# Altium PCB PCB - v2.PcbDoc (part 2 of 2) (continued)
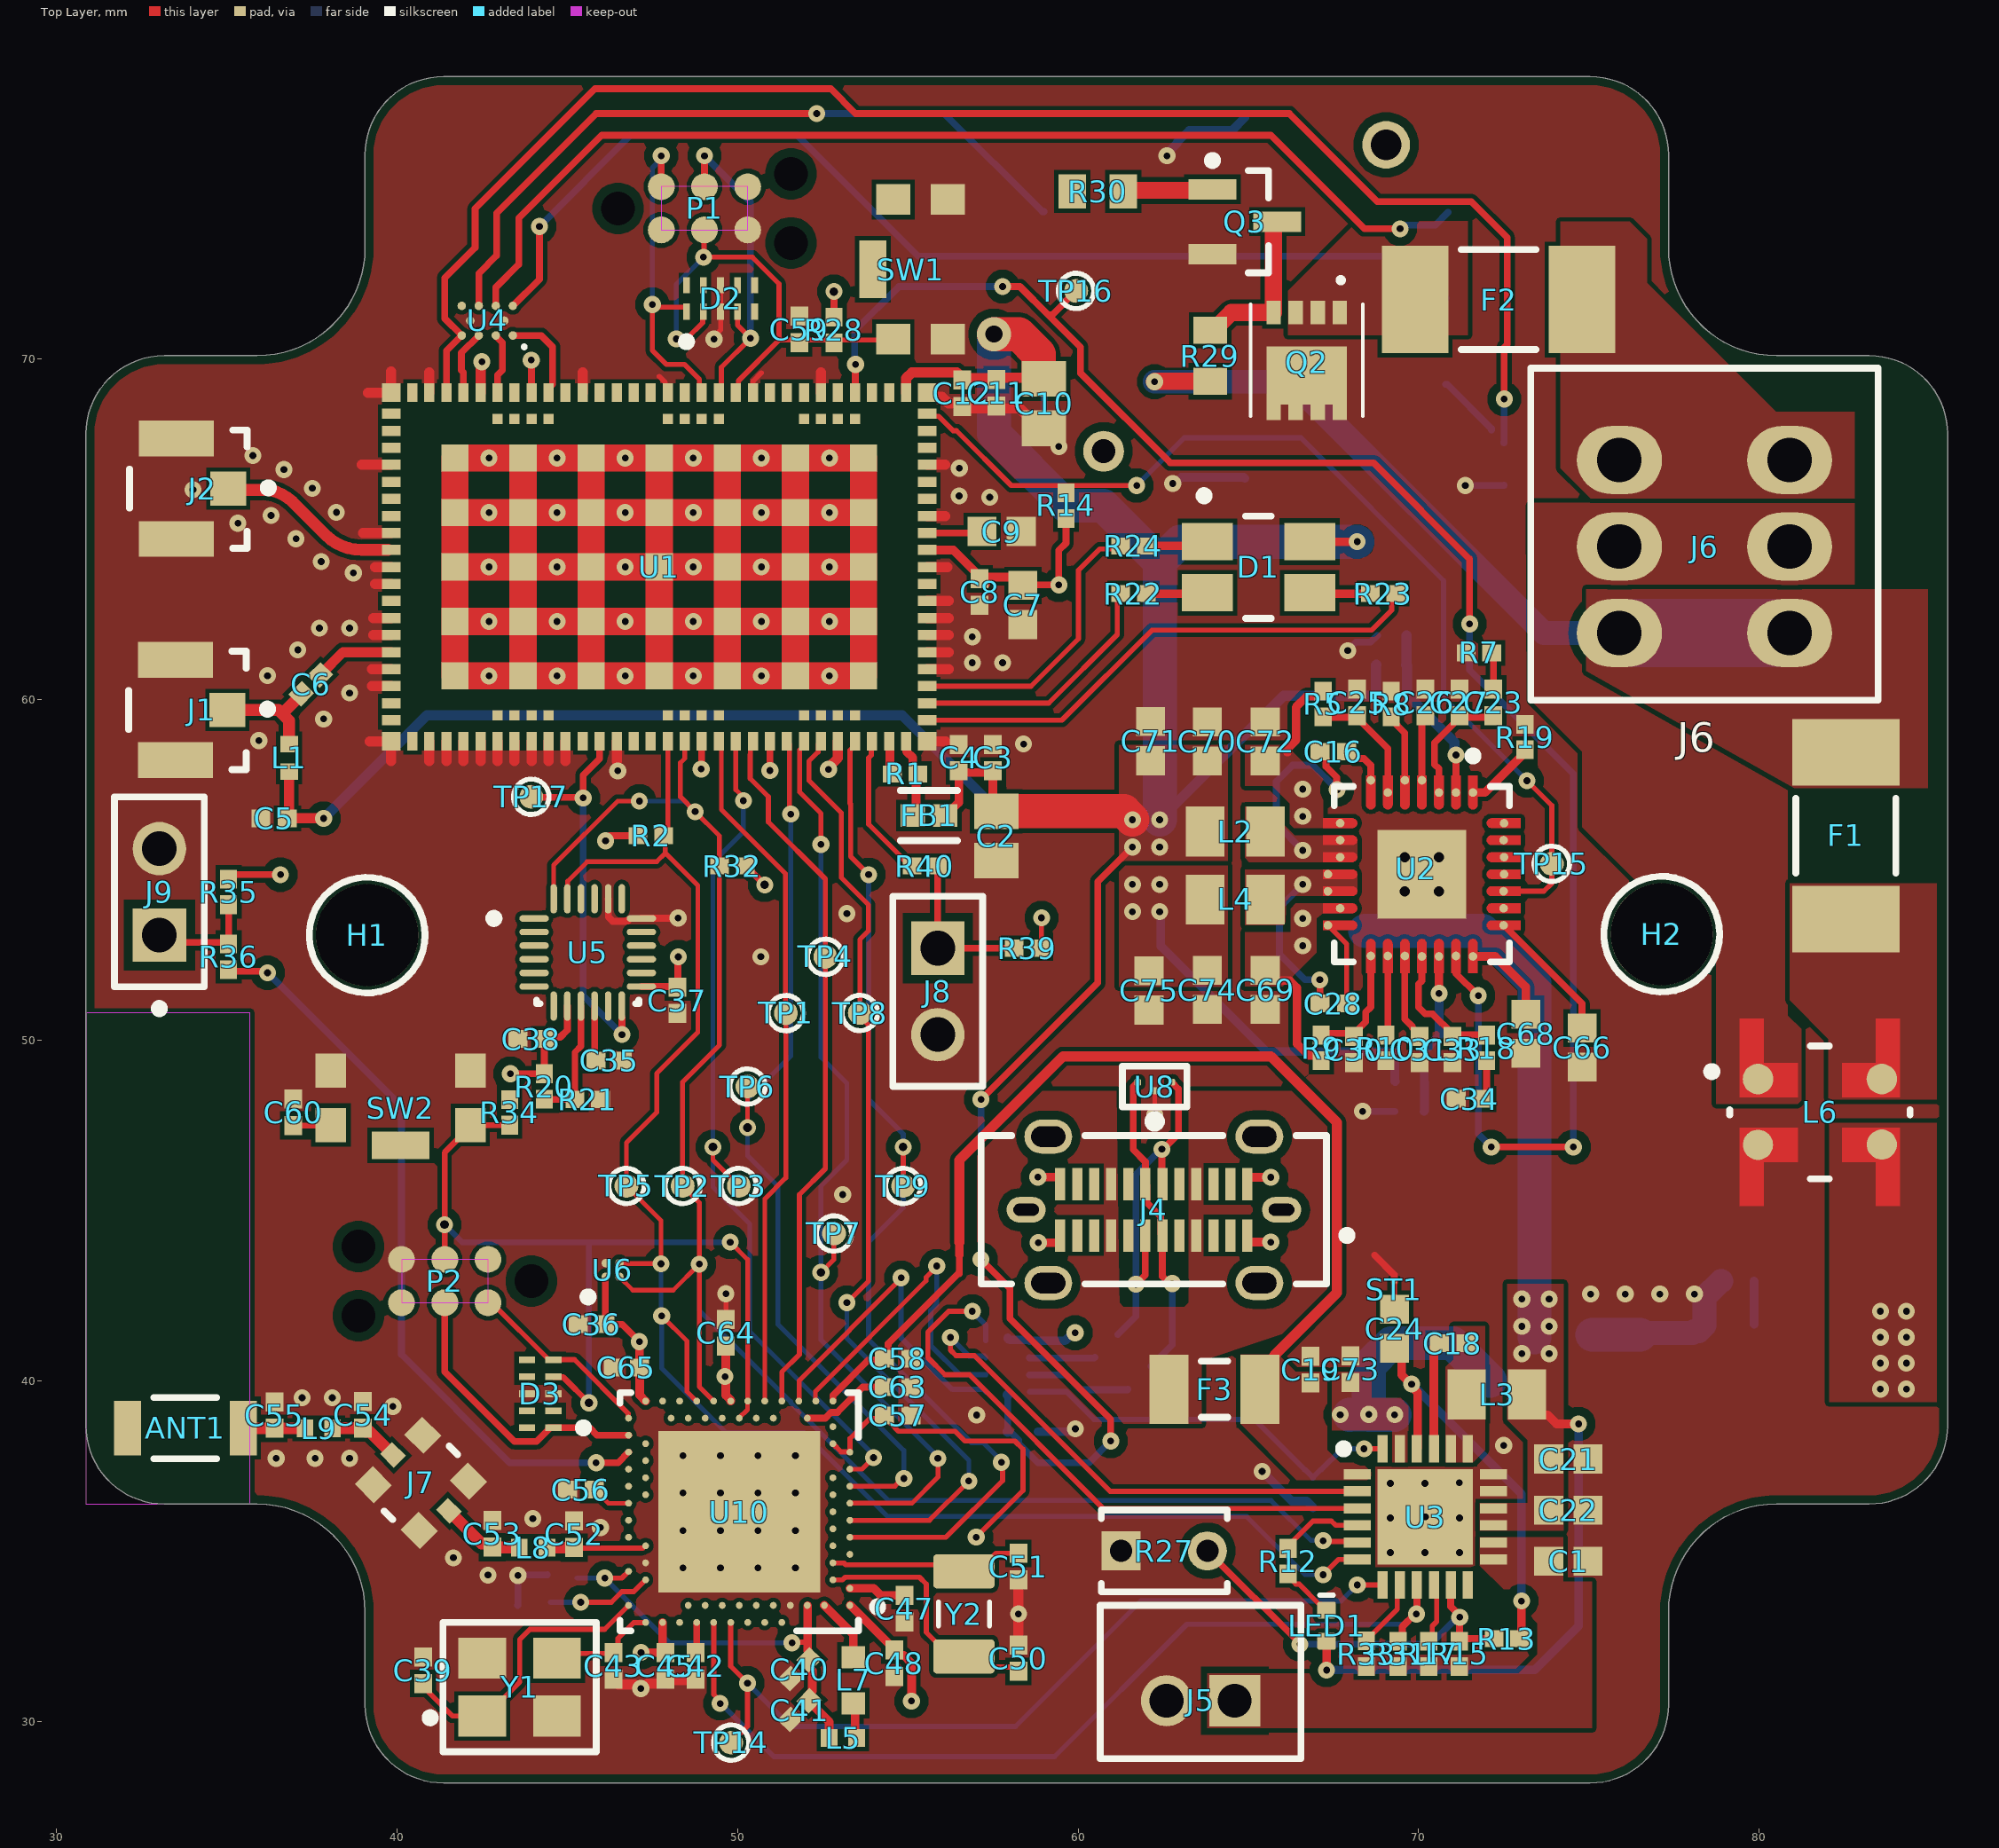
[diagram p0: Top Layer view]
## Nets (pads, with @x,y where several pads share a name; then routed paths per layer and width w, separated by ;. In a path a pad name is that pad's centre, name@x,y a point inside that pad or via, vN(x,y) a via of type N, cw(c..) or ccw(c..) an arc to the next point about the centre after c; other vN are vias at no path point) (continued)
  Bottom Layer w0.2: C46.1@43.543,33.401 43.552,33.41 v1(43.552,34.281) 43.562,34.291 44.401,34.291 C49.1@44.41,34.3 ; J3.C5@59,69.26 59,67.873 v1(59.436,67.437) ; v1(67.919,61.443) 68.167,61.69 68.594,61.69 R6.1@68.794,61.89 ; v1(68.359,47.912) R16.1@69.313,47.912 ; v1(71.374,66.294) 72.507,66.294 C14.1@72.517,66.304
  Bottom Layer w0.254: U7.5@57.936,41.263 57.936,41.244 57.984,41.196 58.553,41.196 U7.6@58.576,41.173 59.618,41.173 59.851,41.406 v1(59.917,41.406) ; C20.1@58.821,38.504 59.773,38.504 59.857,38.588 v1(59.924,38.588) ; v1(62.611,75.977) 62.611,76.044 62.919,76.352 62.919,76.381 63.265,76.727 64.527,76.727 J3.C8@64.9,77.1 ; v1(62.782,66.351) 62.848,66.351 63.033,66.535 64.865,66.535 J3.C4@64.9,66.5 ; v1(65.405,37.338) 66.28,36.463 66.717,36.463 66.9,36.28 C29.1@66.9,36.26
  Bottom Layer w0.7: C67.1@76.5,41.35 76.55,41.4 78.05,41.4 C13.1@78.1,41.45 78.225,41.45 78.4,41.625 78.4,42.451 78.875,42.926 R3.1@78.9,42.926
  Bottom Layer w1: C15.1@75.1,41.35 C67.1@76.5,41.35
  other v1: 47.157,30.957 42.672,34.29 48.4,34.5 49.5,34.5 50.6,34.5 51.7,34.5 41.656,34.798 69.172,34.952 70.188,34.952 71.204,34.952 48.4,35.6 49.5,35.6 50.6,35.6 51.7,35.6 45.974,35.687 43.988,35.949 69.172,35.968 71.204,35.968 70.2,36 48.4,36.7 49.5,36.7 50.6,36.7 51.7,36.7 69.172,36.984 70.188,36.984 71.2,37 36.449,37.719 37.592,37.719 38.608,37.719 48.4,37.8 49.5,37.8 50.6,37.8 51.7,37.8 72.5,38.1 57.023,38.989 39.878,39.243 37.211,39.497 38.1,39.497 75.057,42.545 76.073,42.545 77.089,42.545 78.105,42.545 53.086,45.466 50.683,52.452 53.213,53.721 46.482,57.912 58.4,58.7 35.941,58.801 37.846,59.436 38.608,60.198 36.195,60.706 56.896,61.087 57.785,61.087 37.084,61.468 56.896,61.849 37.719,62.103 38.608,62.103 38.715,63.725 37.773,64.059 37.033,64.731 35.326,65.186 36.3,65.412 38.218,65.504 57.409,65.948 56.508,65.989 34.005,66.171 37.511,66.211 36.676,66.762 56.515,66.802 35.766,67.175 43.942,69.977
  other v3: 69.599,54.376 70.599,54.376 69.599,55.376 70.599,55.376
GPS_RF1: C6.2 U1.67 | length 2.3
  Top Layer w0.3: C6.2@37.776,60.763 38.413,61.4 U1.67@39.83,61.4
GPS_RF2: C6.1 J1.1 L1.1 | length 3.3
  Top Layer w0.35: J1.1@35.019,59.7 36.522,59.7 36.83,59.392 L1.1@36.83,58.748 ; 36.629,59.593 C6.1@37.154,60.119
Green_LED: R22.1 U1.3 | length 7.6
  Top Layer w0.15: U1.3@55.57,59.9 59.138,59.9 61.153,61.915 R22.1@61.153,63.119
H\o\r\n\: R30.1
INT_IMU: TP17.1 U1.84 U5.12 | length 11.3
  Top Layer w0.2: TP17.1@43.942,57.15 43.959,57.133 45.449,57.133 v1(45.466,57.117) 45.466,57.785 45.95,58.269 U1.84@45.95,58.78 ; U5.12@46.604,50.673 46.604,50.17 v1(46.607,50.167)
  Bottom Layer w0.2: v1(45.466,57.117) 45.466,51.308 v1(46.607,50.167)
"LOW P-MODE": TP16.1 U1.25 U2.20 | length 52.3
  Top Layer w0.2: U1.25@53.45,69.02 53.459,69.028 53.459,69.842 v1(53.467,69.85) ; v1(57.785,72.136) 58.293,72.136 59.118,71.31 ; TP16.1@59.944,72.009 59.245,71.31 59.118,71.31 ; U2.20@71.099,52.476 71.099,51.964 v1(71.755,51.308) ; v1(71.501,62.23) 71.501,64.135 68.681,66.955 62.712,66.955 60.071,69.596 60.071,70.358 59.182,71.247 59.118,71.31 ; v1(72.136,46.863) v1(74.549,46.863)
  Bottom Layer w0.2: v1(53.467,69.85) 53.437,69.88 53.437,70.836 54.737,72.136 v1(57.785,72.136) ; v1(71.501,62.23) 71.501,60.874 74.549,57.826 v1(74.549,46.863) ; v1(71.755,51.308) 71.755,47.244 v1(72.136,46.863)
LTE_RF: J2.1 U1.61 | length 5.3
  Top Layer w0.35: J2.1@35.044,66.2 ccw(c35.124,66.28) 35.124,66.167 36.068,66.167 cw(c36.068,64.941) 36.935,65.808 37.905,64.838 ccw(c38.962,65.895) 38.962,64.4 U1.61@39.735,64.4
NetC16_1: C16.1 U2.7 | length 1.3
  Top Layer w0.2: C16.1@67.939,58.476 68.141,58.274 68.401,58.274 68.599,58.076 U2.7@68.599,57.636
NetC18_1: C18.1 U3.21 | length 3.1
  Top Layer w0.254: U3.21@70.45,38 70.45,40.99 C18.1@70.56,41.1
NetC23_2: C23.2 R7.1 | length 1
  Top Layer w0.2: C23.2@72.199,60.366 R7.1@72.199,61.376
NetC28_1: C28.1 U2.14 | length 2.3
  Top Layer w0.15: U2.14@67.339,53.376 67.684,53.031 67.889,52.826 C28.1@67.889,51.276
NetC34_2: C34.2 R18.1 | length 1.1
  Top Layer w0.2: C34.2@71.939,48.276 71.999,48.336 R18.1@71.999,49.351
NetC35_2: C35.2 U5.10 | length 1.6
  Top Layer w0.19: U5.10@45.801,51.003 45.801,49.44 C35.2@45.838,49.403
NetC47_2: C47.2 U10.C1 | length 1.7
  Top Layer w0.25: U10.C1@53.3,33.9 54.005,33.9 54.215,33.69 C47.2@54.9,33.69
NetC50_2: C50.2 U10.D2 Y2.1 | length 7.5
  Top Layer w0.15: U10.D2@52.8,34.15 53.083,34.15 53.163,34.23 55.34,34.23 55.545,34.025 55.545,32.61 56.255,31.9 Y2.1@56.65,31.9 56.959,31.591 58.119,31.591 C50.2@58.25,31.46
NetC51_2: C51.2 U10.F2 Y2.2 | length 5.8
  Top Layer w0.15: U10.F2@52.8,34.65 52.806,34.644 53.125,34.644 53.174,34.595 56.455,34.595 Y2.2@56.65,34.4 57.064,34.4 57.594,34.93 C51.2@58.25,34.93
NetC53_2: C53.2 J7.2 L8.2 | length 2.5
  Top Layer w0.35: J7.2@41.52,36.178 42.484,35.215 42.715,35.215 42.8,35.13 C53.2@42.8,35.11 42.805,35.105 L8.2@43.585,35.105
NetC54_2: C54.2 J7.1 L9.1 | length 2.1
  Top Layer w0.35: L9.1@38.105,38.61 C54.2@39,38.61 ; C54.2@39,38.59 39.085,38.505 39.195,38.505 J7.1@39.88,37.82
NetC66_2: C66.2 U2.22 | length 3.9
  Top Layer w0.2: U2.22@72.499,53.376 74.803,51.072 C66.2@74.803,50.409
NetC68_2: C68.2 U2.21 | length 2.7
  Top Layer w0.254: U2.21@71.599,52.461 72.253,52.461 73.151,51.563 C68.2@73.151,50.813
NetD1_1: D1.1 R24.2 | length 1.8
  Top Layer w0.25: R24.2@62.103,64.516 63.675,64.516 D1.1@63.802,64.643
NetD1_3: D1.3 R23.2 | length 1.7
  Top Layer w0.25: D1.3@66.802,63.143 66.826,63.119 R23.2@68.486,63.119
NetD1_4: D1.4 R22.2 | length 1.7
  Top Layer w0.25: R22.2@62.103,63.119 63.778,63.119 D1.4@63.802,63.143
NetF1_2: F1.2 L6.4
NetF2_1: F2.1 J6.1
NetF2_2: F2.2 Q2.1 Q2.2 Q2.3
NetJ3_C2: J3.C2 U4.C1 | length 32.4
  Top Layer w0.2: U4.C1@43.4,71.57 44.184,72.354 v1(44.184,73.902)
  Bottom Layer w0.2: v1(44.184,73.902) 46.863,76.581 51.749,76.581 55.305,73.025 69.525,73.025 70.75,71.8 J3.C2@70.8,71.8
NetJ3_C3: J3.C3 U4.C2 | length 32.5
  Top Layer w0.2: U4.C2@42.9,71.57 42.9,72.11 43.58,72.79 43.58,74.152 46.009,76.581 65.659,76.581 68.406,73.834 v1(69.457,73.834)
  Bottom Layer w0.2: v1(69.457,73.834) 69.538,73.834 69.644,73.94 70.49,73.94 J3.C3@70.866,74.316
NetJ3_C7: J3.C7 U4.C3 | length 21.4
  Top Layer w0.2: U4.C3@42.4,71.57 42.4,72.525 42.926,73.051 42.926,74.295 45.847,77.216 v1(52.324,77.216)
  Bottom Layer w0.2: v1(52.324,77.216) 56.074,77.216 58.95,74.34 J3.C7@59,74.34
NetJ8_1: J8.1 R39.2 R40.2 | length 4.6
  Top Layer w0.2: R40.2@55.933,55.127 55.924,55.118 55.88,55.074 J8.1@55.88,52.705 R39.2@58.078,52.705
NetJ9_1: J9.1 R35.2 R36.1 | length 3.2
  Top Layer w0.2: J9.1@33.02,53.086 33.23,52.876 35.052,52.876 R35.2@35.052,53.931
NetL5_1: L5.1 L7.2 | length 1.2
  Top Layer w0.254: L7.2@53.45,30.65 53.45,29.55 L5.1@53.5,29.5
NetL6_3: L6.3 Q1.5 Q1.6 Q1.7 Q1.8 Q1.9
  other v1: 83.566,39.751 84.328,39.751 83.566,40.513 84.328,40.513 83.566,41.275 84.328,41.275 83.566,42.037 84.328,42.037
NetLED1_1: LED1.1 R12.2 | length 1.6
  Top Layer w0.15: R12.2@66.171,34.275 66.171,34.25 66.396,34.025 66.496,34.025 67.091,33.43 67.125,33.43 LED1.1@67.3,33.255
NetQ1_4: Q1.4 R3.2 | length 1.3
  Bottom Layer w0.254: R3.2@79.85,42.926 79.857,42.919 79.857,41.66 Q1.4@79.864,41.654
NetQ2_4: Q2.4 Q3.3 R29.1 | length 4.8
  Top Layer w0.5: R29.1@63.881,70.854 63.981,70.854 64.501,71.374 Q2.4@65.741,71.374 65.741,73.991 65.791,74.041 Q3.3@65.847,74.041
NetQ3_1: Q3.1 R30.2 | length 2.5
  Top Layer w0.5: R30.2@61.479,74.93 61.509,74.961 63.916,74.961 Q3.1@63.947,74.991
NetR12_1: R12.1 U3.4 | length 2.4
  Top Layer w0.15: R12.1@66.171,35.125 66.171,35.15 66.9,35.879 67.44,35.879 67.569,35.75 U3.4@68.2,35.75
NetR17_2: R17.2 U3.10 | length 1.8
  Top Layer w0.15: R17.2@70.302,32.352 70.406,32.456 70.406,32.796 70.535,32.924 70.535,33.665 70.45,33.75 U3.10@70.45,34
NetR19_2: R19.2 U2.1 | length 2
  Top Layer w0.254: U2.1@71.599,57.276 71.948,57.276 73.128,58.456 R19.2@73.128,58.481
NetR20_1: R20.1 R21.2 U5.9 | length 3.7
  Top Layer w0.19: R20.1@44.323,48.266 44.326,48.263 R21.2@45.221,48.263 ; R21.2@45.224,48.26 45.224,49.647 45.401,49.824 U5.9@45.401,51.003
NetR33_2: R33.2 U3.8 | length 2
  Top Layer w0.15: R33.2@68.47,32.405 68.495,32.405 69.375,33.285 69.375,33.925 U3.8@69.45,34
NetR40_1: R40.1 U1.100 | length 4.2
  Top Layer w0.15: U1.100@53.95,58.78 53.928,58.758 53.928,58.373 53.848,58.293 53.848,56.344 54.824,55.368 54.824,55.343 55.049,55.118 R40.1@55.074,55.118
nRF52_BOOT: R36.2 U10.W24 | length 22.1
  Top Layer w0.2: R36.2@35.052,52.026 36.151,52.026 v1(36.195,51.982) ; v1(45.847,37.592) 46.492,37.592 U10.W24@46.8,37.9
  Bottom Layer w0.2: v1(36.195,51.982) 40.132,48.045 40.132,40.767 43.307,37.592 v1(45.847,37.592)
nRF52_DCC: L7.1 U10.B3 | length 1.9
  Top Layer w0.254: U10.B3@52.55,33.4 53.4,32.55 L7.1@53.4,31.875
nRF52_DEC2: C42.2 U10.A18 | length 0.9
  Top Layer w0.2: C42.2@48.8,31.99 U10.A18@48.8,32.9
nRF52_DEC3: C46.2 U10.D23 | length 3.1
  Top Layer w0.15: v1(45.393,33.493) 46.293,33.493 46.603,33.803 46.953,33.803 U10.D23@47.3,34.15
  Bottom Layer w0.15: C46.2@44.507,33.493 v1(45.393,33.493)
nRF52_DEC5: C56.2 U10.N24 | length 1.2
  Top Layer w0.137: C56.2@45.81,36.8 46.21,36.4 U10.N24@46.8,36.4
nRF52_DEC6_4: C40.2 C41.2 C49.2 L5.2 U10.B5 U10.E24 | length 12.6
  Top Layer w0.15: v1(46.1,34.2) 46.6,34.2 U10.E24@46.8,34.4 ; v1(51.6,32.3) 51.621,32.321 52.055,32.321
  Top Layer w0.25: U10.B5@52.055,33.395 52.055,32.321 52.055,32.064 52.114,32.005 52.114,31.814 52.086,31.786 52.086,31.595 52.196,31.484 52.196,30.887 52.1,30.791 52.1,30.575 52.69,29.985 L5.2@52.69,29.5
  Bottom Layer w0.15: C49.2@45.29,34.2 v1(46.1,34.2) 48,32.3 v1(51.6,32.3)
nRF52_DECUSB: C63.2 U10.AC5 | length 2.6
  Top Layer w0.2: U10.AC5@52.05,38.9 52.583,38.9 52.753,39.07 52.937,39.07 53.678,39.811 C63.2@54.314,39.811
nRF52_RST: C60.2 D3.4 P2.3 R34.1 SW2.1 SW2.3 U10.AC13 U10.AD12 | length 26.7
  Top Layer w0.14: v1(49.784,44.069) 50.296,43.557 50.296,39.404 U10.AD12@50.3,39.4 50.294,39.394 50.294,39.152 50.05,38.908 U10.AC13@50.05,38.9
  Top Layer w0.17: C60.2@36.957,47.498 38.041,47.498 SW2.3@38.053,47.51 ; P2.3@41.402,43.561 41.395,43.568 v2(41.395,44.584) 41.395,46.702 42.153,47.46 SW2.1@42.153,47.51 R34.1@43.301,47.51 ; D3.4@44.59,40.116 44.605,40.101 44.883,40.101 v2(45.635,39.349)
  Bottom Layer w0.17: v2(41.395,44.584) 41.91,44.069 45.635,44.069 ; v2(45.635,39.349) 45.635,44.069 ; v1(49.784,44.069) 45.635,44.069
nRF52_SWCLK: D3.1 P2.4 U10.AA24 | length 8.6
  Top Layer w0.2: P2.4@41.402,42.291 41.402,40.259 43.444,38.217 44.099,38.217 44.452,38.57 44.452,38.616 45.656,38.616 45.872,38.4 U10.AA24@46.8,38.4
nRF52_SWDIO: D3.5 P2.2 U10.AC24 | length 5.6
  Top Layer w0.15: P2.2@42.672,42.291 42.777,42.291 44.452,40.616 D3.5@44.59,40.616 45.209,40.616 46.79,39.035 46.79,38.91 U10.AC24@46.8,38.9
nRF52_XC1: C39.2 U10.B24 Y1.1 | length 8.4
  Top Layer w0.15: C39.2@40.8,31 40.8,30.98 41.63,30.15 Y1.1@42.5,30.15 42.6,30.15 43.6,31.15 43.6,32.4 43.9,32.7 46.1,32.7 U10.B24@46.8,33.4
nRF52_XC2: C43.2 U10.A23 Y1.3 | length 3.2
  Top Layer w0.15: Y1.3@44.7,31.85 44.84,31.99 C43.2@46.4,31.99 ; C43.2@46.355,32.013 46.489,32.147 46.489,32.43 46.949,32.89 47.29,32.89 U10.A23@47.3,32.9
nRF91_DEC0: C9.2 U1.13 | length 1.6
  Top Layer w0.2: U1.13@55.57,64.9 57.088,64.9 C9.2@57.131,64.943
nRF91_EN: R1.1 U1.101 | length 1
  Top Layer w0.254: U1.101@54.45,58.78 54.473,58.757 54.473,57.845 R1.1@54.497,57.821
nRF91_RST: C59.2 D2.2 P1.3 R28.1 SW1.1 SW1.3 U1.32 | length 14.6
  Top Layer w0.15: v1(48.2,70.6) 48.236,70.636 48.536,70.636 48.975,71.075 48.975,71.375 D2.2@49,71.4 ; P1.3@49.065,73.765 49.015,73.715 49.015,73.015 v1(49,73) 50.435,73 51.22,72.214 51.22,70.565 ; U1.32@49.95,69.02 50.025,69.095 50.025,69.369 51.22,70.565 ; SW1.1@54.575,70.594 54.546,70.565 51.22,70.565
  Bottom Layer w0.15: v1@48.1,70.7 v1(48.2,70.6) 48.2,72.2 v1(49,73)
nRF91_SWDCLK: D2.4 P1.4 U1.33 | length 9.7
  Top Layer w0.15: U1.33@49.45,69.02 49.525,69.095 49.525,69.763 v1(50.381,70.619) 50,71 D2.4@50,71.4
  Top Layer w0.2: P1.4@49.03,75.07 v1(49.029,75.977)
  Bottom Layer w0.2: v1(49.029,75.977) 50.381,74.625 v1(50.381,70.619)
nRF91_SWDIO: D2.1 P1.2 U1.34 | length 10.1
  Top Layer w0.15: D2.1@48.5,71.4 48.5,71.505 48.475,71.53 47.672,71.53 47.591,71.611 v1(47.496,71.611) 47.496,70.261 47.907,69.85 48.441,69.85 48.88,69.411 48.88,69.09 U1.34@48.95,69.02
  Top Layer w0.2: P1.2@47.76,75.07 v1(47.758,75.977)
  Bottom Layer w0.15: v1@47.512,71.627 47.496,71.643 47.496,75.62 47.758,75.882 v1(47.758,75.977)
  Bottom Layer w0.2: v1(47.496,71.611) v1@47.512,71.627
nRF91_VDD1: FB1.2 R1.2 U1.102 | length 2.4
  Top Layer w0.254: U1.102@54.95,58.78 54.973,58.757 54.973,58.474 55.149,58.297 55.149,57.994 R1.2@55.322,57.821 ; FB1.2@55.134,56.609 FB1.2@55.143,56.6 55.245,56.702 55.245,57.743 R1.2@55.322,57.821 ; R1.2@55.347,57.821 R1.2@55.322,57.821
Red_LED: R23.1 U1.2 | length 15.6
  Top Layer w0.15: U1.2@55.57,59.4 59.527,59.4 62.172,62.045 68.626,62.045 69.213,62.632 69.213,62.896 R23.1@69.436,63.119
RTS_INT_MCU: TP6.1 U1.95 U10.R1 | length 27
  Top Layer w0.14: v2(50.292,47.435) TP6.1@50.292,48.641 ; U1.95@51.45,58.78 51.526,58.704 51.526,56.678 v1(51.562,56.642) ; U10.R1@53.3,36.9 54.622,36.9 54.849,37.128 v1(54.884,37.128)
  Bottom Layer w0.14: v1(51.562,56.642) 51.562,49.53 50.292,48.26 v2(50.292,47.435) 50.292,46.609 51.181,45.72 51.181,41.656 54.884,37.953 v1(54.884,37.128)
RX_INT_MCU: TP9.1 U1.99 U10.J1 | length 31
  Top Layer w0.15: U10.J1@53.3,35.4 56.12,35.4 57.785,37.065 57.785,37.567 v1(57.748,37.604) ; U1.99@53.45,58.78 53.45,58.66 53.305,58.515 53.305,56.961 53.321,56.945 53.321,55.391 v1(53.848,54.864) ; TP9.1@54.864,45.72 v2(54.864,46.863)
  Bottom Layer w0.15: v1(53.848,54.864) 53.848,48.26 54.864,47.244 v2(54.864,46.863) 54.864,45.085 53.848,44.069 53.848,41.204 56.869,38.183 57.214,38.183 57.748,37.649 v1(57.748,37.604)
SCL: R2.1 TP5.1 U1.88 U3.6 U5.23 U6.B2 U10.AD18 | length 51.2
  Top Layer w0.14: U5.23@45.01,54.161 45.01,54.669 45.585,55.245 47.625,55.245 47.879,55.499 ; U6.B2@46.53,43.453 46.54,43.443 47.743,43.443 v1(47.752,43.434) 47.752,44.704 TP5.1@46.736,45.72 46.736,46.99 47.625,47.879 47.625,49.022 48.834,50.231 48.834,54.544 47.879,55.499 ; v1(47.771,41.905) 48.514,41.161 48.514,39.686 U10.AD18@48.8,39.4 ; U1.88@47.95,58.78 47.95,56.078 47.879,56.007 47.879,55.499
  Top Layer w0.15: v1(67.2,34.3) 67.65,34.75 U3.6@68.2,34.75
  Bottom Layer w0.14: v1@47.752,41.883 v1(47.752,43.434) ; v1(47.771,41.905) 47.771,40.367 49.657,38.481 51.943,38.481 52.8,37.624 54.414,36.01 64.955,36.01 66.665,34.3 v1(67.2,34.3)
SDA: R32.1 TP2.1 U1.89 U3.5 U5.24 U6.B1 U10.AD16 | length 53.1
  Top Layer w0.14: U5.24@44.601,54.153 44.601,55.142 46.482,57.023 v1(47.117,57.023) ; U6.B1@46.53,43.053 46.925,42.659 48.111,42.659 v1(48.876,43.424) ; U1.89@48.45,58.78 48.45,58.279 48.321,58.15 48.321,57.149 v1(48.757,56.713) 49.47,56 49.47,49.859 48.387,48.776 TP2.1@48.387,45.72 48.876,45.231 v1(48.876,43.424) ; U10.AD16@49.3,39.4 48.876,39.824 v1(48.876,43.424)
  Top Layer w0.15: v1(67.2,35.3) 67.225,35.275 68.175,35.275 U3.5@68.2,35.25
  Bottom Layer w0.14: v1(47.117,57.023) 48.447,57.023 v1(48.757,56.713) ; v1(48.876,43.424) 48.876,42.07 51.562,39.383 51.562,39.357 54.44,36.479 65.671,36.479 66.84,35.31 67.19,35.31 v1(67.2,35.3)
SIM_1V8: C14.2 J3.C1 U1.49 U4.A4 | length 47.7
  Top Layer w0.2: U1.49@41.45,69.02 41.45,70.25 U4.A4@41.9,70.7 ; U4.A4@41.891,70.709 41.402,71.198 41.402,72.39 42.291,73.279 42.291,74.422 45.818,77.949 52.734,77.949 53.467,77.216 66.204,77.216 68.792,74.629 71.549,74.629 72.603,73.574 72.603,70.433 72.517,70.348 v1(72.517,68.834)
  Bottom Layer w0.2: J3.C1@70.8,69.26 70.85,69.26 72.142,67.968 72.142,67.929 ; C14.2@72.508,67.563 C14.2@72.517,67.554 ; C14.2@72.51,67.547 C14.2@72.517,67.554 ; v1(72.517,68.834) C14.2@72.517,67.554
SIM_CLK: U1.46 U4.A2 | length 1.8
  Top Layer w0.2: U4.A2@42.9,70.7 42.9,70.686 43.095,70.491 43.095,69.678 42.95,69.532 U1.46@42.95,69.02
SIM_IO: U1.48 U4.A3 | length 1.9
  Top Layer w0.2: U1.48@41.95,69.02 41.95,69.615 41.887,69.678 41.887,70.185 42.4,70.698 U4.A3@42.4,70.7
SIM_RST: U1.43 U4.A1 | length 2.7
  Top Layer w0.2: U4.A1@43.4,70.7 44.235,70.7 44.57,70.365 44.57,69.26 44.45,69.14 U1.43@44.45,69.02
TX_INT_MCU: TP8.1 U1.97 U10.L1 | length 28.5
  Top Layer w0.14: U1.97@52.45,58.78 52.37,58.7 52.37,58.466 52.096,58.192 52.096,57.632 53.046,56.682 53.046,54.777 53.848,53.975 53.848,53.213 53.594,52.959 53.594,50.692 53.848,50.438 53.848,42.926 v1(53.213,42.291) ; U10.L1@53.3,35.9 55.638,35.9 v1(56.792,37.053)
  Bottom Layer w0.14: v1(53.213,42.291) 53.213,41.242 56.794,37.661 56.794,37.055 v1(56.792,37.053)
USB-C_VBUS_CMN: F3.1 J4.A4 J4.A9 J4.B4 J4.B9
"VLEAD +": F1.1 J6.3 R29.2 | length 23.4
  Top Layer w0.5: v1(62.246,69.342) 62.258,69.354 R29.2@63.881,69.354
  Bottom Layer w0.7: v1(62.246,69.342) 66.294,69.342 73.676,61.96 J6.3@75.9,61.96
  Bottom Layer w2: J6.3@75.9,61.96 J6.3@80.9,61.96
"VLEAD -": J6.2 L6.1
VLiPo: C1.2 J5.1 U3.13 U3.14
VSYS: C21.2 C22.2 C69.2 C72.2 L3.2 LED1.2 R5.2 R9.2 U2.8 U2.13 U3.15 U3.16 | length 38.4
  Top Layer w0.25: C69.2@65.899,51.751 66.22,51.751 66.43,51.541 66.43,49.895 66.774,49.551 66.968,49.551 67.143,49.376 R9.2@67.143,49.351 ; 66.149,58.457 66.149,58.556 66.402,58.809 66.402,59.783 66.72,60.101 67.024,60.101 R5.2@67.199,60.276 ; v1(67.3,31.5) LED1.2@67.3,32.345 ; L3.2@73.185,39.6 73.185,39.43 73.625,38.99 73.795,38.99 74.056,38.729 v1(74.7,38.729)
  Bottom Layer w0.25: v1(67.3,31.5) 73.41,31.5 74.7,32.79 v1(74.7,38.729)
  Bottom Layer w1: 68.433,53.213 71.882,53.213 73.406,51.689 73.406,42.397 73.406,41.597 73.406,41.275
  other v1: 73.038,40.797 73.838,40.797 73.038,41.597 73.838,41.597 73.038,42.397 73.838,42.397 66.599,52.776 66.599,53.576 66.599,56.576 66.599,57.376
VUSB: C19.2 C58.2 F3.2 U3.1 U10.AD2 | length 30.8
  Top Layer w0.2: U10.AD2@52.8,39.4 52.8,39.563 53.847,40.61 54.274,40.61 54.425,40.762 54.425,41.09 56.484,43.149 56.515,43.149 56.515,43.688
  Top Layer w0.25: 56.515,43.688 56.515,44.069
  Top Layer w0.3: 56.515,44.069 56.515,46.482 59.563,49.53 65.659,49.53 67.6,47.589 67.6,42.581 65.763,40.744 65.763,40.173 F3.2@65.341,39.751
pads on no net: ANT1.2 D2.5 D2.6 D2.7 D2.9 D2.10 D3.2 D3.6 D3.7 D3.9 D3.10 H1. H2. J3.1 J3.4 J3.C6 J4.1 J4.2 J4.3 J4.4 J4.5 J4.6 J4.A2 J4.A3 J4.A5 J4.A8 J4.A10 J4.A11 J4.B2 J4.B3 J4.B5 J4.B8 J4.B10 J4.B11 P1. P1.1 P1.6 P2. P2.1 P2.6 SW1.5 SW2.5 U1.10 U1.15 U1.16 U1.18 U1.19 U1.23 U1.24 U1.26 U1.28 U1.29 U1.30 U1.35 U1.37 U1.38 U1.39 U1.40 U1.42 U1.45 U1.51 U1.53 U1.54 U1.55 U1.57 U1.58 U1.59 U1.64 U1.70 U1.71 U1.73 U1.83 U1.86 U1.87 U1.104 U1.105 U1.106 U1.107 U1.108 U1.109 U1.110 U1.111 U1.112 U1.113 U1.114 U1.115 U1.116 U1.117 U1.118 U1.119 U1.120 U1.121 U1.122 U1.123 U1.124 U1.125 U1.126 U1.127 U2.23 U2.25 U2.26 U2.27 U2.28 U3.12 U4.C4 U5.1 U5.2 U5.3 U5.4 U5.5 U5.6 U5.7 U5.11 U5.14 U5.15 U5.16 U5.17 U5.19 U5.21 U5.22 U10.A8 U10.A10 U10.A12 U10.A20 U10.AB2 U10.AC9 U10.AC11 U10.AC15 U10.AC17 U10.AC19 U10.AC21 U10.AD20 U10.AD22 U10.B9 U10.B11 U10.B13 U10.B15 U10.B17 U10.B19 U10.G1 U10.H2 U10.J24 U10.K2 U10.L24 U10.M2 U10.P2 U10.P23 U10.R24 U10.T2 U10.T23 U10.U24 U10.V23 U10.Y23

## Polygon pours and split planes (outlines as drawn)
GND on Top Layer "GND_L01_P129" (solid, remove dead copper, pour order 129): 30.869,78.303 85.538,78.303 85.538,28.184 30.865,28.184
USB-C_VBUS_CMN on Top Layer "USB-C_VBUS_CMN_L01_P117" (solid, remove dead copper, pour order 117): 67.564,41.9 63.627,40.579 63.627,38.735 61.341,38.735 60.833,39.243 57.039,43.037 57.039,48.514 61.133,48.514 61.214,42.291 61.341,42.164 63.119,42.164 63.254,42.299 63.254,48.514 67.564,48.514
VLiPo on Top Layer "VLIPO_L01_P113" (solid, remove dead copper, pour order 113): 71.8,35.4 74.25,35.4 74.25,34.092 75.1,34.092 75.1,29.793 63.8,29.793 63.8,31.4 72.929,31.4 73.495,31.966 73.495,32.873 71.8,34.568
VSYS on Top Layer "VSYS_L01_P112" (solid, remove dead copper, pour order 112): 68.087,56.236 68.199,56.348 68.199,56.404 68.087,56.516 67.199,56.516 67.199,57.676 66.799,58.076 66.699,58.076 66.099,58.676 64.899,58.676 64.899,57.476 65.699,57.476 66.221,56.954 66.221,56.236
"VLEAD -" on Top Layer "VLEAD_-_L01_P128" (solid, remove dead copper, pour order 128): 73.279,65.786 82.804,65.786 82.804,63.246 80.137,63.246 79.375,62.484 79.375,61.507 80.845,60.037 80.845,50.727 81.237,50.335 81.237,48.23 81.141,48.133 78.74,48.133 78.74,52.324 74.803,56.261 74.803,58.48 73.3,59.983
+12 on Top Layer "+12_L01_P097" (solid, remove dead copper, pour order 97): 69.2,37.6 69.7,37.6 69.7,39.26 69.473,39.487 68.613,39.487 68.613,40.263 67.454,40.263 67.454,38.538 69.2,38.538
BCK_SW2 on Top Layer "BCK_SW2_L01_P102" (solid, remove dead copper, pour order 102): 67.199,55.016 68.059,55.016 68.199,54.876 68.199,54.39 68.045,54.236 66.259,54.236 66.099,54.076 66.099,53.376 64.899,53.376 64.899,55.016
BCK_SW1 on Top Layer "BCK_SW1_L01_P103" (solid, remove dead copper, pour order 103): 67.199,55.236 68.059,55.236 68.199,55.376 68.199,55.876 68.059,56.016 66.359,56.016 66.06,56.315 66.06,56.857 64.899,56.857 64.899,55.236 64.898,55.235
VSYS on Top Layer "VSYS_L01_P104" (solid, remove dead copper, pour order 104): 67.199,53.736 68.087,53.736 68.199,53.848 68.199,53.904 68.087,54.016 66.389,54.016 66.241,53.868 66.241,53.175 64.899,53.175 64.899,51.584 66.007,51.584 66.999,52.576 66.999,53.576
+1v8 on Top Layer "+1V8_L01_P106" (solid, remove dead copper, pour order 106): 61.199,51.576 64.399,51.576 64.399,55.131 61.199,55.131
+3v3 on Top Layer "+3V3_L01_P110" (solid, remove dead copper, pour order 110): 64.399,55.131 64.399,58.676 61.199,58.676 61.199,55.131
BM_SW on Top Layer "BM_SW_L01_P098" (solid, remove dead copper, pour order 98): 70.8,37.6 71.6,37.6 71.95,37.95 71.95,41.6 71.024,41.6 71.024,40.624 70.8,40.4
GND on Top Layer "GND_L01_P100" (solid, remove dead copper, pour order 100): 71.4,36.6 72.8,36.6 73,36.8 73,38.2 72.6,38.6 72.1,38.6 72.1,37.4 71.4,37.4
"VLEAD +" on Top Layer "B" (solid, remove dead copper, pour order 94): 74.93,63.251 84.963,63.251 84.963,57.404 81.031,57.404 74.93,60.842
NetF1_2 on Top Layer "NETF1_2_L01_P095" (solid, remove dead copper, pour order 95): 80.899,54.61 85.217,54.61 85.217,48.26 82.169,48.26 82.042,48.133 82.042,50.038 80.899,51.181 80.899,51.562
NetL6_3 on Top Layer "NETL6_3_L01_P127" (solid, remove dead copper, pour order 127): 85.217,39.37 85.217,47.57 82.063,47.57 82.063,39.37
NetF2_1 on Top Layer "NETF2_1_L01_P126" (solid, remove dead copper, pour order 126): 76.2,74.041 76.708,73.533 76.708,72.242 80.497,68.453 82.804,68.453 82.804,65.913 75.057,65.913 74.168,66.802 74.168,74.041
NetF2_2 on Top Layer "NETF2_2_L01_P122" (solid, remove dead copper, pour order 122): 71.45,70.715 71.45,74.065 68.223,74.065 66.167,72.009 66.167,70.715
VUSB on Top Layer "VUSB_L01_P119" (solid, remove dead copper, pour order 119): 68.484,37.084 68.6,37.2 68.6,37.318 68.326,37.592 67.691,37.592 67.314,37.969 67.314,40.263 67.309,40.259 64.77,40.259 64.77,38.735 66.421,37.084
VUSB on Top Layer "VUSB_L01_P118" (solid, remove dead copper, pour order 118): 67.454,38.538 64.967,38.538 64.77,38.735 64.77,40.767 65.885,40.767 66.389,40.263 67.454,40.263
VSYS on Top Layer "VSYS_L01_P099" (solid, remove dead copper, pour order 99): 71.8,35.6 74.258,35.6 74.258,42.841 72.6,42.841 72.6,38.85 73.2,38.25 73.2,36.4 71.8,36.4
+1v8 on Bottom Layer "+1V8_L04_P125" (solid, remove dead copper, pour order 125): 57.531,28.184 57.531,50.546 60.198,53.213 62.992,53.213 63.119,53.34 63.119,54.737 62.725,55.131 61.074,55.131 60.833,55.372 60.833,64.449 56.388,68.894 56.388,74.168 35.814,74.168 35.814,28.184
GND on Bottom Layer "GND_L04_P132" (solid, remove dead copper, pour order 132): 74.596,40.792 78.765,40.792 78.9,40.927 78.9,41.435 79.275,41.81 79.275,43.261 79.102,43.434 74.803,43.434 74.593,43.224
VSYS on Bottom Layer "VSYS_L04_P131" (solid, remove dead copper, pour order 131): 72.39,40.534 74.422,40.534 74.422,42.841 72.39,42.841
VSYS on Bottom Layer "VSYS_L04_P130" (solid, remove dead copper, pour order 130): 66.04,52.324 68.447,52.324 68.834,52.711 68.834,56.261 67.019,58.076 66.299,58.076 65.659,57.436 65.659,52.705
NetL6_3 on Bottom Layer "NETL6_3_L04_P121" (solid, remove dead copper, pour order 121): 80.772,39.37 84.709,39.37 84.709,42.545 80.772,42.545
+3v3 on Bottom Layer "+3V3_L04_P120" (solid, remove dead copper, pour order 120): 61.199,55.271 62.841,55.271 63.054,55.484 63.054,57.131 61.426,57.131 61.199,56.903
+12 on Bottom Layer "+12_L04_P114" (solid, remove dead copper, pour order 114): 79.121,40.534 79.121,41.275 80.391,41.275 80.391,39.37 72.03,39.37 71.2,40.2 71.2,40.534
GND on Int2 (GND) (split plane): 260 vertices, not listed, extent 31.375,28.693 85.029,77.794
GND on Int1 (GND) (split plane): 243 vertices, not listed, extent 31.375,28.693 85.029,77.794

## Keep-outs
Keep-Out Layer:
  rectangle: 30.866,36.379 35.687,50.8

## Other copper
Int1 (GND) (plane layer: these items are gaps in the copper):
  region: 35.894,36.379 35.894,50.927 30.866,50.927 30.866,36.379

## Silkscreen, mask and mechanical layers (free items; w line width, h text height)
Bottom Overlay:
  text "JLCJLCJLCJLC" at 83.93,58.674 h1.54 r90
Board Shape:
  the board outline again, w0.911
Case:
  drawing of 22405 lines, arcs and shapes, not listed